# Altium PCB Power Distribution Board Rev5.PcbDoc (part 2 of 2)
Units mil, origin at the board's own origin, x right, y up, seen from the top; angles counter-clockwise.
Board outline 4527.56 x 4527.56 mil, 4 copper layers (Top Layer, L2-Ground, L3-Ground, Bottom Layer), stack 62.449 mil thick; 183 components, 98 nets, 526 pads, 289 vias.
Unrouted connection lines stored in the file: 2.
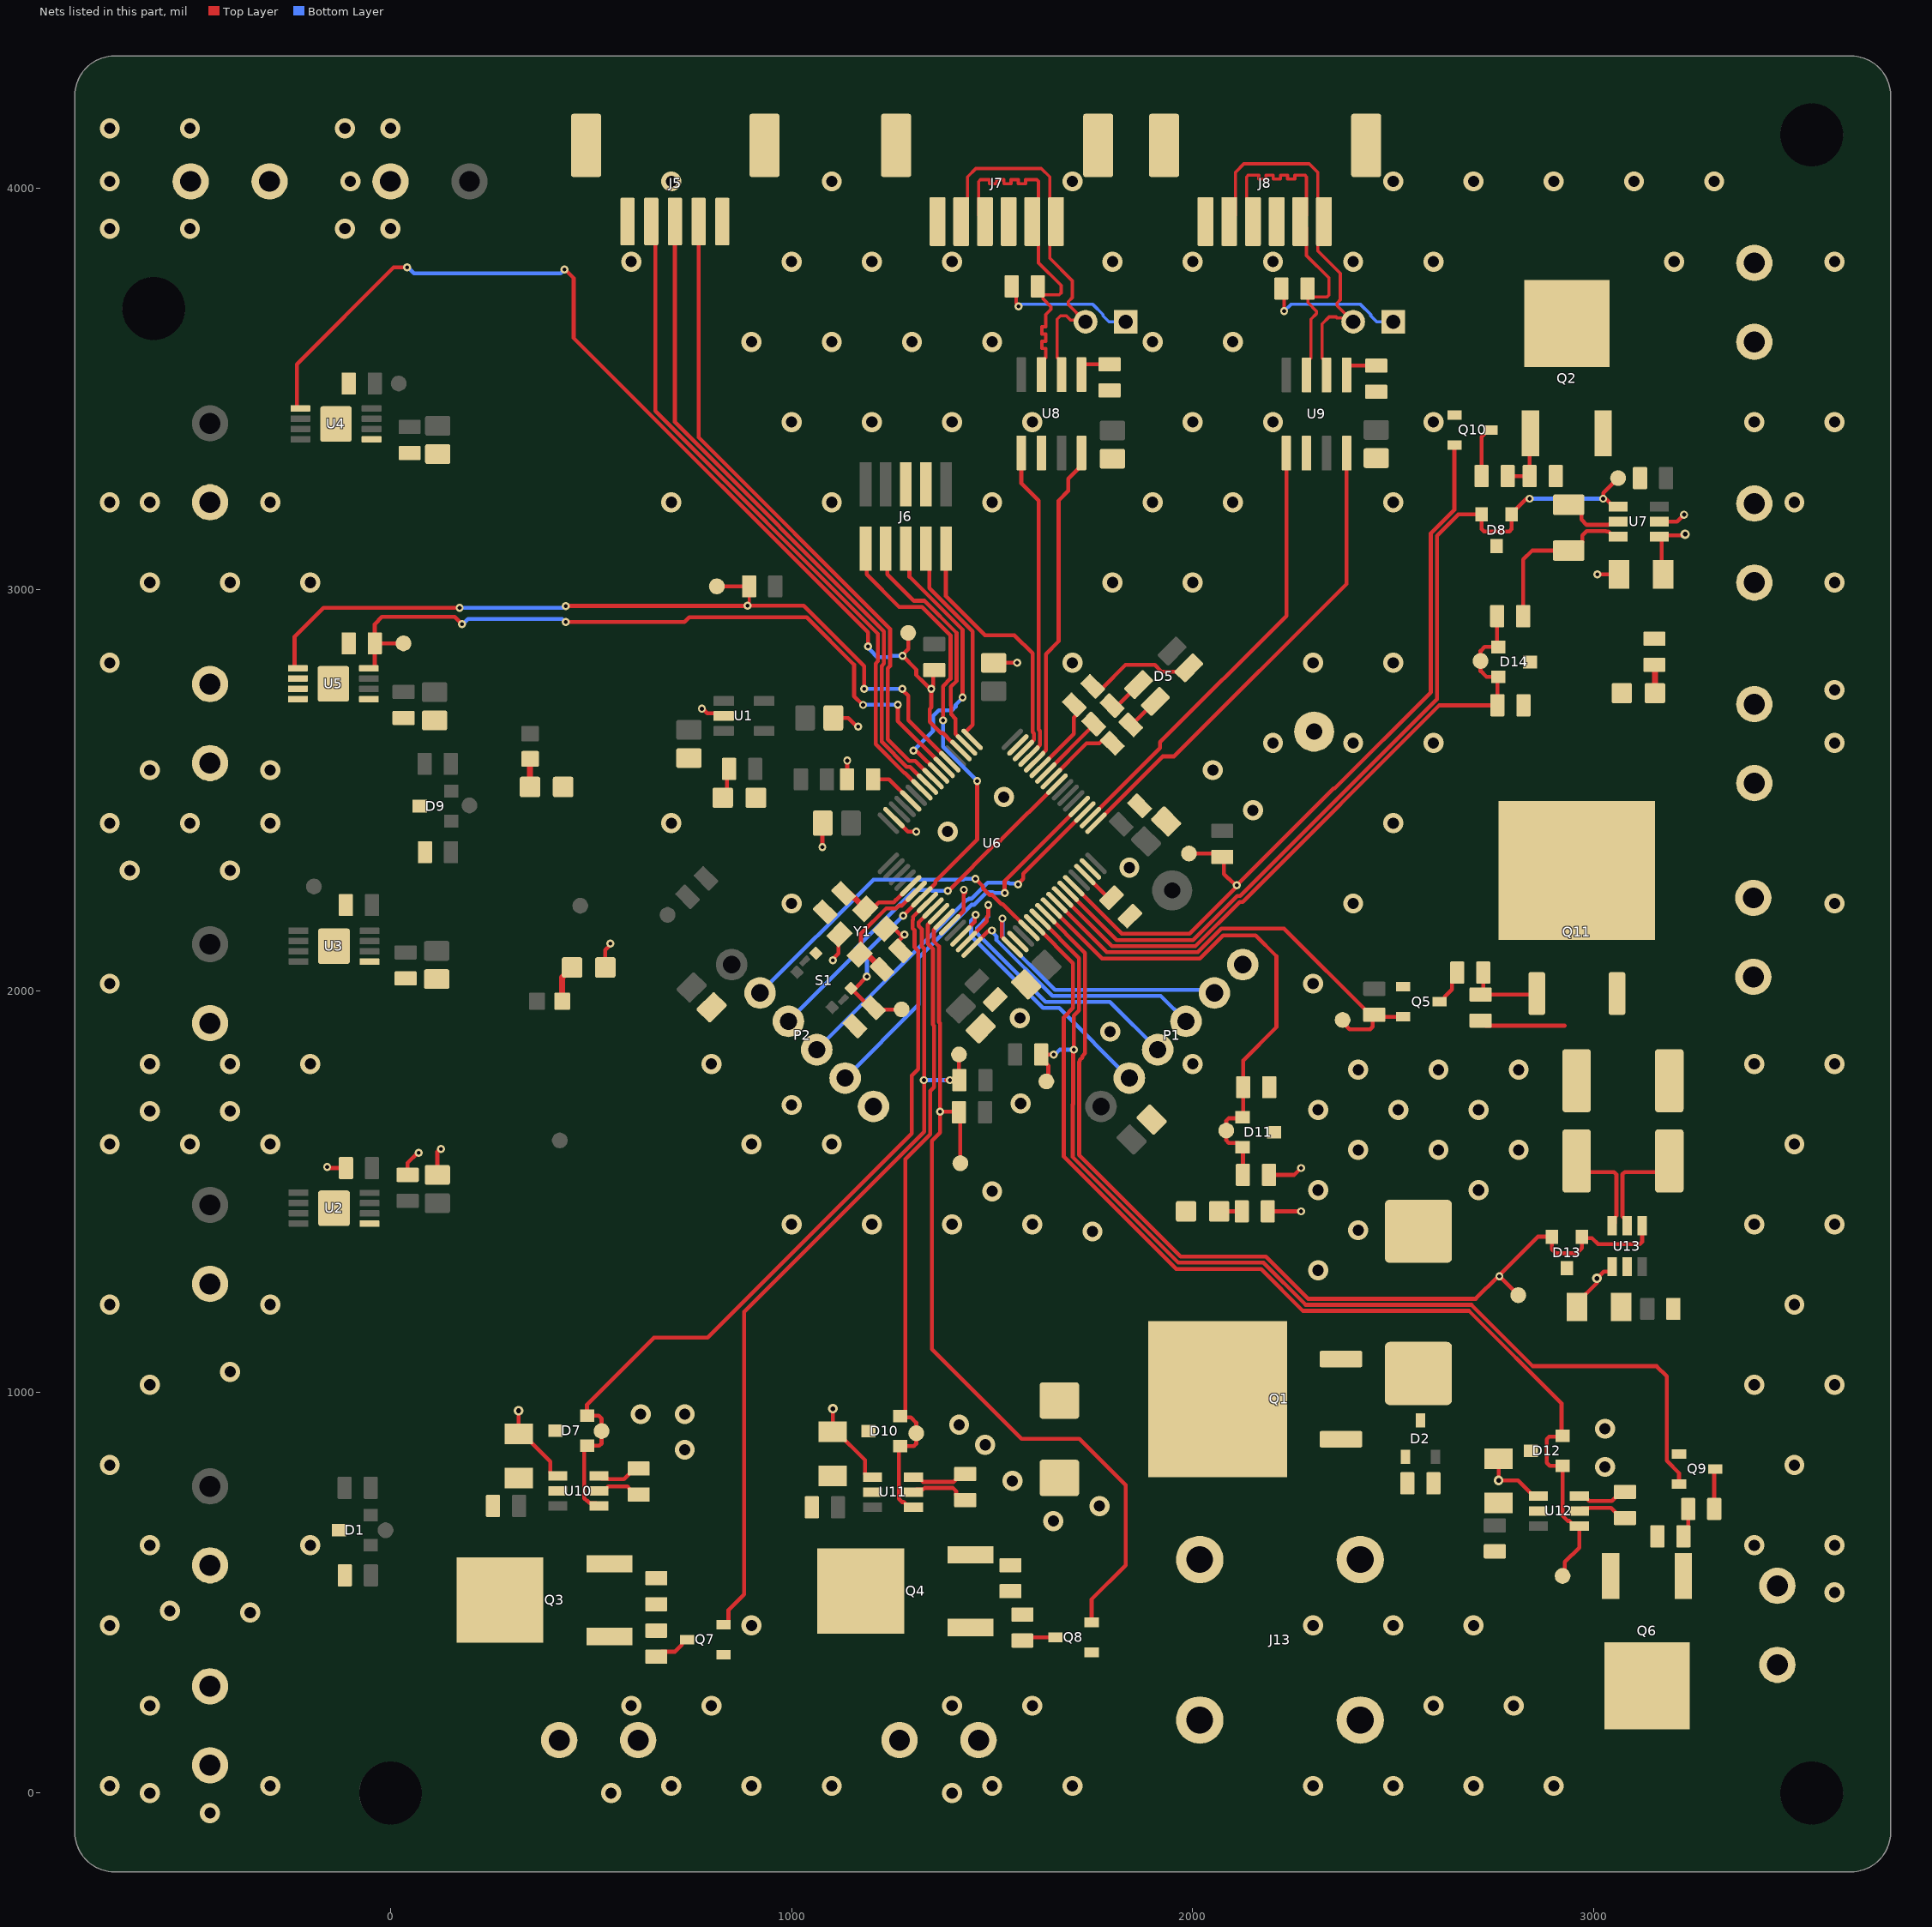
[diagram p4: the nets of this part, all layers, seen from the top]

## Via types
v1: diameter 50, hole 28, Top Layer to Bottom Layer, tented both sides, 191 vias
v2: diameter 20, hole 10, Top Layer to Bottom Layer, tented both sides, 93 vias
v3: diameter 24, hole 12, Top Layer to Bottom Layer, tented both sides, 5 vias

## Nets (pads, with @x,y where several pads share a name; then routed paths per layer and width w, separated by ;. In a path a pad name is that pad's centre, name@x,y a point inside that pad or via, vN(x,y) a via of type N, cw(c..) or ccw(c..) an arc to the next point about the centre after c; other vN are vias at no path point) (continued)
5V_lOAD2_1_N_OC: "TP 7.1" R6.1 U4.5 U6.51 | length 2667.9
  Top Layer w10: U4.5@-224.57,3451.77 -230.75,3451.77 -233.62,3454.65 -233.62,3561.93 7.6,3803.15 v2(41.6,3803.15) ; v2(433.6,3798.15) 435.22,3798.15 456.6,3776.77 456.6,3627.15 1190.3,2893.44 v2(1190.3,2858.21) ; 1290.6,2892.17 1290.6,2851.87 1276.6,2837.87 v2(1276.6,2835.17) 1310.69,2801.07 1310.69,2787.17 1331.13,2766.73 1331.66,2766.73 1345.45,2752.94 v2(1348.16,2752.94) ; R6.1@1355.6,2799.45 1352.66,2796.51 1352.66,2757.44 v2(1348.16,2752.94) ; U6.51@1422.05,2598.78 1421.56,2598.78 1399.78,2620.56 1399.17,2620.56 1377.22,2642.51 1371.7,2642.51 1344.13,2670.08 1344.13,2702.48 1348.16,2706.51 v2(1348.16,2752.94)
  Bottom Layer w10: v2(41.6,3803.15) 43.22,3803.15 58.22,3788.15 423.6,3788.15 v2(433.6,3798.15) ; v2(1190.3,2858.21) 1190.3,2855.5 1196.71,2849.09 1196.71,2848.54 1213.32,2831.93 1241.99,2831.93 1245.23,2835.17 v2(1276.6,2835.17)
5V_LOAD2_2: J3.1 U5.6 U5.7 U5.8
5V_lOAD2_2_EN: "TP 4.1" R37.2 U5.4 U6.54 | length 1868.2
  Top Layer w10: U5.4@-53.87,2803.59 -42.19,2803.59 -39.31,2806.46 R37.2@-39.31,2866.05 ; 32.38,2866.05 R37.2@-39.31,2866.05 ; v2(178.18,2914.15) 160.18,2932.15 -21.4,2932.15 -39.31,2914.24 R37.2@-39.31,2866.05 ; v2(436.6,2919.15) 732.53,2919.15 744.39,2931 1037.62,2931 1155.6,2813.02 1155.6,2734.96 v2(1178.01,2712.55) ; v2(1264.6,2713.21) 1264.6,2672.71 U6.54@1380.29,2557.02
  Bottom Layer w10: v2(178.18,2914.15) 179.8,2914.15 192.8,2927.15 427.74,2927.15 435.74,2919.15 v2(436.6,2919.15) ; v2(1178.01,2712.55) 1178.68,2713.21 v2(1264.6,2713.21)
5V_lOAD2_2_N_OC: "TP 10.1" R7.1 U5.5 U6.53 | length 2112.6
  Top Layer w8: v2(890,2960) 890,2963.25 894.12,2967.37 R7.1@894.12,3008.15
  Top Layer w10: U5.5@-231.04,2803.98 -236.5,2803.98 -239.37,2806.85 -239.37,2882.48 -167.08,2954.77 v2(172.35,2954.77) ; v2(436.6,2959.15) 437.02,2959.57 889.57,2959.57 v2(890,2960) 1029.83,2960 1180.6,2809.23 v2(1180.6,2752.94) ; 813.41,3008.15 R7.1@894.12,3008.15 ; v2(1276.03,2752.37) 1276.03,2749.66 1290.6,2735.09 1290.6,2674.55 U6.53@1394.21,2570.94
  Bottom Layer w10: v2(172.35,2954.77) 429.51,2954.77 433.89,2959.15 v2(436.6,2959.15) ; v2(1180.6,2752.94) 1180.88,2752.65 1275.74,2752.65 v2(1276.03,2752.37)
17V: J17.1 R22.2 R32.1 R46.2 U7.3 | length 409.2
  Top Layer w10: R22.2@2823.83,2933.9 2823.83,3075.23 2845.97,3097.37 R32.1@2937.25,3097.37 ; R32.1@2950.97,3097.37 2971.55,3117.95 2971.55,3135.08 2982.36,3145.89 3030.31,3145.89 3031.44,3144.76 3036.05,3144.76 3048.64,3132.17 U7.3@3060.45,3132.17
17V_ADC_INPUT: "TP 12.1" D14.1 D14.2 R22.1 R24.2 U6.26 | length 1682.2
  Top Layer w10: U6.26@1675.38,2234.09 1798.32,2111.15 2006.6,2111.15 2117.1,2221.65 2124.84,2221.65 2614.83,2711.64 R24.2@2759.51,2711.64 2759.51,2779.97 D14.2@2761.85,2782.31 2732.44,2782.31 2717.6,2797.15 2717.6,2847.15 2727.56,2857.11 D14.1@2761.85,2857.11 2758.87,2860.09 R22.1@2758.87,2933.9
17V_LOAD: Q2.3 R18.2 R32.2 U7.2 | length 156.8
  Top Layer w10: R32.2@2937.25,3211.54 2948.26,3211.54 2968.84,3190.96 2968.84,3174.89 2982.36,3161.37 3035.97,3161.37 3037.36,3162.76 3053.64,3162.76 U7.2@3060.45,3169.57
17V_LOAD_CURRENT: "TP 13.1" D8.1 D8.2 U6.27 U7.1 | length 2260.9
  Top Layer w10: U6.27@1689.3,2248.01 1689.3,2247.52 1810.67,2126.15 2000.39,2126.15 2110.89,2236.65 2118.63,2236.65 2608.6,2726.62 2608.6,3134.15 2661.97,3187.52 D8.2@2720.2,3187.52 2720.2,3151.01 2726.05,3145.15 2789.14,3145.15 2795,3151.01 D8.1@2795,3187.52 ; D8.1@2795,3189.49 2831.25,3225.74 2838.97,3225.74 v2(2840.12,3226.89) ; v2@3023.48,3227.22 3023.48,3241.18 3032.49,3250.19 3060.45,3278.15 ; v2@3029.87,3225.74 3048.64,3206.98 U7.1@3060.45,3206.98
  Bottom Layer w10: v2(2840.12,3226.89) v2(3023.15,3226.89)
17V_LOAD_EN: "TP 11.1" Q10.2 R49.1 U6.28 | length 2008.6
  Top Layer w10: U6.28@1703.22,2261.93 1822.88,2142.27 1991.72,2142.27 2086.1,2236.65 2103.12,2253.67 2103.12,2253.79 2109.71,2260.38 v2(2109.71,2263.09) ; 1990.6,2342.15 2065.12,2342.15 R49.1@2073.6,2333.67 2077.6,2329.67 2077.6,2291.15 2089.6,2279.14 2090.95,2279.14 2108.18,2261.91 2110.89,2261.91 2110.89,2264.26 2351.2,2504.58 2354.02,2504.58 2593.6,2744.15 2593.6,3140.36 2652.32,3199.09 Q10.2@2652.32,3360.75
ADC123_1: P1.3 U6.15 | length 766.3
  Top Layer w10: U6.15@1435.97,2122.73 1486.45,2173.21 1486.45,2183.85 1490.16,2187.56 v2(1490.16,2213.85)
  Bottom Layer w10: v2(1490.16,2213.85) 1490.16,2184.92 1462.6,2157.36 1462.6,2142.25 1632.7,1972.15 1793.6,1972.15 P1.3@1912.6,1853.15
ADC123_2: P1.4 U6.16 | length 651.6
  Top Layer w10: U6.16@1449.89,2108.81 1489.62,2148.54 1497.13,2148.54 v2(1499.05,2150.45)
  Bottom Layer w10: v2(1499.05,2150.45) 1499.05,2147.75 1510.6,2136.19 1510.6,2126.78 1650.23,1987.15 1920.02,1987.15 P1.4@1983.31,1923.86
ADC123_3: P1.5 U6.17 | length 715.9
  Top Layer w10: v2(1525.6,2180.38) 1525.6,2178.75 1524.25,2177.4 1524.25,2135.17 1550.11,2109.3 U6.17@1550.11,2108.81
  Bottom Layer w10: v2(1525.6,2180.38) 1525.6,2133.15 1656.6,2002.15 2046.44,2002.15 P1.5@2054.02,1994.57
ADC123_4: P2.2 U6.20 | length 844.7
  Top Layer w10: v2(1458.26,2279.42) 1477.24,2260.44 1477.24,2255.97 1494.35,2238.85 1500.52,2238.85 1523.1,2216.26 1526.18,2216.26 U6.20@1591.87,2150.57
  Bottom Layer w10: P2.2@921.18,1994.57 1203.86,2277.26 1428.26,2277.26 1430.42,2279.42 v2(1458.26,2279.42)
CANA_N: H1.2 J7.1 J7.5 U8.6 | length 978.2
  Top Layer w8: J7.5@1422.83,3917.72 1438.36,3933.24 1438.36,4028.91 1459.45,4050 1622.44,4050 1643.53,4028.91 1643.53,3933.24 J7.1@1659.06,3917.72 1643.53,3902.19 1643.53,3826.4 1699.98,3769.95 1699.98,3728.26 1689.43,3717.72 1689.43,3711.09 H1.2@1728.79,3671.73 ; U8.6@1672.74,3535.9 1672.74,3567.4 1661.74,3578.4 1661.74,3674.26 1670.33,3682.84 1684.85,3682.84 1695.96,3671.73 H1.2@1728.79,3671.73 ; H1.2@1732.81,3667.72 H1.2@1728.79,3671.73
CANA_P: J7.2 J7.4 R14.2 U8.7 | length 963
  Top Layer w8: J7.4@1481.89,3917.72 1466.36,3933.24 1466.36,4017.31 1471.05,4022 1493.05,4022 1493.05,4012 1511.05,4012 1511.05,4022 1529.05,4022 1529.05,4012 1547.05,4012 1547.05,4022 1565.05,4022 1565.05,4012 1583.05,4012 1583.05,4022 1610.84,4022 1615.23,4017.61 1615.53,4017.31 1615.53,3933.24 J7.2@1600,3917.72 1615.53,3902.19 1615.53,3814.8 1671.98,3758.35 1671.98,3739.86 1667.29,3735.17 R14.2@1627.28,3735.17 ; R14.2@1613.56,3756.07 1613.56,3746.23 1626.82,3732.97 1626.82,3724.64 1646.36,3705.1 1646.36,3698.47 1633.74,3685.85 1633.74,3667.72 1633.74,3655.2 1623.74,3655.2 1623.74,3637.2 1633.74,3637.2 1633.74,3619.2 1623.74,3619.2 1623.74,3601.2 1633.74,3601.2 1633.74,3597.2 1633.74,3578.4 1622.74,3567.4 U8.7@1622.74,3535.9
CANB_N: H2.2 J8.1 J8.5 U9.6 | length 988.6
  Top Layer w8: J8.5@2090.94,3917.72 2106.47,3933.24 2106.47,4040.43 2127.56,4061.52 2290.55,4061.52 2311.64,4040.43 2311.64,3933.24 J8.1@2327.17,3917.72 2311.64,3902.19 2311.64,3844.69 2367.7,3788.63 2367.7,3722.74 2359.65,3714.69 2359.65,3708.07 H2.2@2390.23,3677.48 ; U9.6@2333.58,3535.06 2333.58,3566.55 2322.58,3577.55 2322.58,3662.42 2340.19,3680.03 2357.03,3680.03 2359.57,3677.48 H2.2@2390.23,3677.48 ; H2.2@2400,3667.72 H2.2@2390.23,3677.48
CANB_P: J8.2 J8.4 R16.2 U9.7 | length 954.2
  Top Layer w8: J8.4@2150,3917.72 2134.47,3933.24 2134.47,4028.83 2139.16,4033.52 2142.61,4033.52 2164.61,4033.52 2164.61,4023.52 2182.61,4023.52 2182.61,4033.52 2200.61,4033.52 2200.61,4023.52 2218.61,4023.52 2218.61,4033.52 2236.61,4033.52 2236.61,4023.52 2254.61,4023.52 2254.61,4033.52 2269.36,4033.52 2278.95,4033.52 2283.64,4028.83 2283.64,3933.24 J8.2@2268.11,3917.72 2283.64,3902.19 2283.64,3833.09 2339.7,3777.03 2339.7,3734.34 2335.01,3729.65 R16.2@2299.85,3729.65 ; U9.7@2283.58,3535.06 2283.58,3566.55 2294.58,3577.55 2294.58,3674.02 2308.29,3687.73 2308.29,3694.36 2286.96,3715.68 R16.2@2286.96,3739.88 ; R16.2@2286.13,3750.55 2286.13,3740.71 R16.2@2286.96,3739.88 ; R16.2@2298.52,3728.32 R16.2@2286.96,3739.88
GND: C1.1 C2.1 C3.1 C4.1 C5.1 C6.1 C7.1 C8.1 C9.1 C10.1 C11.1 C12.1 C13.1 C14.1 C15.1 C16.2 C17.2 C18.1 C19.1 C20.1 C21.1 C22.1 C23.1 C24.1 C25.1 C26.1 C27.1 C28.1 C29.1 C30.1 C31.1 C32.1 C33.1 C34.1 C35.1 D1.3 D3.1 D4.2 D6.2 D7.3 D8.3 D9.3 D10.3 D11.3 D12.3 D13.3 D14.3 D15.2 D16.2 D17.2 GND.1 J1.2 J2.2 J3.2 J4.2 J5.0 J5.1 J5.5 J6.3 J6.5 J7.0 J7.3 J7.6 J8.0 J8.3 J8.6 J9.2 J10.2 J11.2 J12.2 J13.2 J14.2 J15.2 J16.2 J17.2 J18.2 J19.2 J20.2 P1.6 P2.6 Q5.1 Q7.1 Q8.1 Q9.1 Q10.1 R2.1 R12.1 R15.2 R17.2 R21.1 R24.1 R25.1 R27.1 R34.1 R36.1 R37.1 R38.1 S1.1 U1.2 U2.1 U2.9 U3.1 U3.9 U4.1 U4.9 U5.1 U5.9 U6.12 U6.18 U6.31 U6.47 U6.63 U7.5 U8.2 U9.2 U10.5 U11.5 U12.5 U13.5 Y1.2 Y1.4 | length 1029.8
  Top Layer w10: v2(-158,1561) -156,1561 -152.94,1557.94 R34.1@-111.09,1557.94 ; C4.1@42.67,1541.05 42.67,1570.89 67.57,1595.79 v2(70.35,1595.79) ; C3.1@116.8,1541.05 116.8,1599.5 123.3,1606 v2(126,1606) ; D15.2@535.34,2058 535.34,2101.34 548,2114 v2(548,2118) ; v2(776.22,2703.11) 778.92,2703.11 790.02,2692.02 823.66,2692.02 U1.2@830.61,2685.07 ; v2(1076.54,2358.15) 1076.54,2417.01 C14.1@1077.36,2417.83 ; v2(1102.85,2076.21) 1102.85,2078.92 1116.94,2093 1116.94,2137.43 Y1.4@1119.72,2140.22 ; C2.1@1103.83,2680.15 1140.91,2680.15 1162.3,2658.76 v2(1166.08,2658.76) ; R12.1@1138.12,2527.15 1138.73,2527.76 v2(1138.73,2573.78) ; Y1.2@1233.86,2154.14 1256.35,2154.14 1271.74,2138.75 1280.03,2138.75 v2(1281.5,2140.22) 1281.5,2138.98 1265.72,2123.2 1265.72,2105.22 C16.2@1271.42,2099.52 ; U6.63@1255.02,2431.75 1255.51,2431.75 1290.31,2396.95 v2(1310.7,2396.95) ; U6.12@1394.21,2164.49 1429.01,2199.29 1429.01,2251.73 v2(1429.21,2251.93) 1429.21,2249.22 1432.5,2245.93 v2@1432.5,2244.08 ; C13.1@1503.6,2817.38 1503.93,2817.72 v2(1562.07,2817.72) ; v2(3008.6,3038.15) C30.1@3062.48,3038.15 ; U7.5@3162.81,3169.57 3207.07,3169.57 3224.5,3187 v2(3225,3187)
  other v1: -450,-50 -600,0 550,0 1400,0 -700,17.72 -300,17.72 700,17.72 900,17.72 1100,17.72 1500,17.72 1700,17.72 2300,17.72 2500,17.72 2700,17.72 2900,17.72 -600,217.72 600,217.72 800,217.72 1400,217.72 1600,217.72 2600,217.72 2800,217.72 -700,417.72 900,417.72 2300,417.72 2500,417.72 2700,417.72 -350,450 -550,454.12 3600,500 -600,617.72 -200,617.72 3400,617.72 3600,617.72 1652.6,678.15 1767.46,715.58 1550.51,778.15 -700,817.72 3500,817.72 -600,1017.72 3400,1017.72 3600,1017.72 -400,1050 -700,1217.72 -300,1217.72 3500,1217.72 1750,1400 1000,1417.72 1200,1417.72 1400,1417.72 1600,1417.72 3400,1417.72 3600,1417.72 1500,1500 -700,1617.72 -500,1617.72 -300,1617.72 900,1617.72 1100,1617.72 3500,1617.72 -600,1700 -400,1700 1000,1715.21 1571,1719 -600,1817.72 -400,1817.72 -200,1817.72 800,1817.72 2000,1817.72 3400,1817.72 3600,1817.72 1794,1898 1569,1932 -700,2017.72 2300,2017.72 1000,2217.72 2400,2217.72 3600,2217.72 -650,2300 -400,2300 1842,2307 1389.12,2396.95 -700,2417.72 -500,2417.72 -300,2417.72 700,2417.72 2500,2417.72 2150,2450 1529,2483 -600,2550 -300,2550 2050,2550 2200,2617.72 2400,2617.72 2600,2617.72 3600,2617.72 3600,2750 -700,2817.72 1700,2817.72 2300,2817.72 2500,2817.72 -600,3017.72 -400,3017.72 -200,3017.72 1800,3017.72 2000,3017.72 3600,3017.72 -700,3217.72 -600,3217.72 -300,3217.72 700,3217.72 1100,3217.72 1500,3217.72 1900,3217.72 2100,3217.72 2500,3217.72 3500,3217.72 1000,3417.72 1200,3417.72 1400,3417.72 1600,3417.72 2000,3417.72 2200,3417.72 2600,3417.72 3400,3417.72 3600,3417.72 900,3617.72 1100,3617.72 1300,3617.72 1500,3617.72 1900,3617.72 2100,3617.72 600,3817.72 1000,3817.72 1200,3817.72 1400,3817.72 1800,3817.72 2000,3817.72 2200,3817.72 2400,3817.72 2600,3817.72 3200,3817.72 3600,3817.72 -700,3900 -500,3900 -113.6,3900 0,3900 -700,4017.72 -100,4017.72 700,4017.72 1100,4017.72 1700,4017.72 2500,4017.72 2700,4017.72 2900,4017.72 3100,4017.72 3300,4017.72 -700,4150 -500,4150 -113.6,4150 0,4150
JTDI: J6.8 U6.50 | length 600.1
  Top Layer w10: J6.8@1234.6,3102.15 1238.74,3098.01 1238.74,3038.01 1304.59,2972.16 1331.17,2972.16 1411.16,2892.17 1411.16,2771.69 1397.05,2757.59 1397.05,2711.09 1397.57,2710.57 1397.57,2689.12 1408.4,2678.29 1408.4,2640.76 1435.97,2613.19 U6.50@1435.97,2612.7
JTDO/TRACESWO: J6.6 U6.55 | length 718.1
  Top Layer w10: J6.6@1284.6,3102.15 1293.74,3093.01 1293.74,3032.15 1426.16,2899.73 v2(1426.16,2731.53) ; v2(1303.57,2598.39) 1305.09,2596.86 1312.61,2596.86 U6.55@1366.37,2543.1
  Bottom Layer w10: v2(1303.57,2598.39) 1352.22,2647.05 1352.22,2684.46 1366.86,2699.11 1399.71,2699.11 1409.07,2708.46 1409.07,2713.26 1426.16,2730.35 v2(1426.16,2731.53)
LED_B_n: R8.2 U6.42 | length 175.1
  Top Layer w10: U6.42@1633.63,2543.1 1749.63,2659.11 R8.2@1749.63,2670.18
LED_G_n: R10.2 U6.41 | length 202.1
  Top Layer w10: U6.41@1647.55,2529.18 1735.04,2616.67 1767.15,2616.67 1774.61,2624.14 1797.74,2624.14 R10.2@1806.66,2615.21
LED_MATRIX_B_PWM: J5.2 U6.56 | length 1644.1
  Top Layer w10: J5.2@768.11,3917.72 768.11,3379.64 1245.3,2902.44 1245.3,2809.21 1239.6,2803.5 1239.6,2627 1293.21,2573.39 1308.24,2573.39 U6.56@1352.45,2529.18
LED_MATRIX_G_PWM: J5.3 U6.57 | length 1672.8
  Top Layer w10: J5.3@709.06,3917.72 709.06,3417.48 1230.3,2896.23 1230.3,2815.42 1224.6,2809.72 1224.6,2620.79 1287,2558.39 1295.4,2558.39 U6.57@1338.53,2515.26
LED_MATRIX_R_PWM: J5.4 U6.58 | length 1701.6
  Top Layer w10: J5.4@650,3917.72 660.06,3907.66 660.06,3445.26 1215.3,2890.02 1215.3,2821.64 1209.6,2815.93 1209.6,2614.58 1280.78,2543.39 1282.57,2543.39 U6.58@1324.62,2501.34
LED_R_n: R9.1 U6.43 | length 186.7
  Top Layer w10: U6.43@1619.71,2557.02 1703.22,2640.54 1703.22,2681.08 1712.63,2690.48 R9.1@1712.63,2705.18
NetC16_1: C16.1 U6.6 Y1.1 | length 305.8
  Top Layer w10: Y1.1@1169.83,2090.11 1172.62,2092.89 1172.62,2141.9 1235.89,2205.17 1260.35,2205.17 1267.53,2212.35 1275.04,2212.35 U6.6@1310.7,2248.01
  Top Layer w15: Y1.1@1169.83,2090.11 1188.97,2090.11 C16.1@1225.49,2053.59
NetC17_1: C17.1 U6.5 Y1.3 | length 207.1
  Top Layer w10: Y1.3@1183.75,2204.25 1201.03,2204.25 1216.95,2220.17 1254.14,2220.17 1261.32,2227.35 1261.71,2227.35 1296.29,2261.93 U6.5@1296.78,2261.93
  Top Layer w15: C17.1@1129.44,2242.67 1143.88,2242.67 1156.33,2230.22 1157.78,2230.22 Y1.3@1183.75,2204.25
NetC19_2: C19.2 U6.30 | length 90.5
  Top Layer w10: U6.30@1731.06,2289.77 1788.71,2232.12 C19.2@1797.63,2232.12
NetD2_1: D2.1 Q1.1 R21.2
NetD2_3: D2.3 F1.1 Q1.3
NetD4_1: D4.1 R3.1 | length 78.6
  Top Layer w10: D4.1@828.26,2481.15 838.9,2491.79 838.9,2547.93 R3.1@844.12,2553.15
NetD5_1: D5.1 R9.2 | length 276.9
  Top Layer w10: R9.2@1750.71,2758.78 1755.79,2753.7 1773.77,2753.7 1832.29,2812.22 1905.24,2812.22 1922.18,2795.28 1980.49,2795.28 D5.1@1990.24,2805.03
NetD5_2: D5.2 R10.1 | length 85.4
  Top Layer w10: R10.1@1845.49,2663.11 1848.32,2663.11 D5.2@1906.72,2721.51
NetD5_3: D5.3 R8.1 | length 87.6
  Top Layer w10: R8.1@1798.99,2710.95 1812.28,2710.95 1864.61,2763.27 D5.3@1864.96,2763.27
NetD6_1: D6.1 R20.1 | length 56.2
  Top Layer w10: D6.1@2065.94,1450.15 R20.1@2122.12,1450.15
NetD15_1: D15.1 R44.1 | length 94.2
  Top Layer w15: R44.1@428,1974 428,2033.34 D15.1@452.66,2058
NetD16_1: D16.1 R45.1 | length 70.1
  Top Layer w15: D16.1@347.66,2508 347.83,2508.17 347.83,2577.83 R45.1@348,2578
NetD17_1: D17.1 R46.1 | length 71.1
  Top Layer w15: R46.1@3151,2812.52 3152.34,2811.18 D17.1@3152.34,2742
NetH1_1: H1.1 R14.1 | length 346.1
  Top Layer w8: R14.1@1548.6,3756.07 1559.66,3745.01 1559.66,3714.25 1565.6,3708.31 v2(1565.6,3706.15)
  Bottom Layer w8: v2(1565.6,3706.15) 1570.69,3711.24 1750.84,3711.24 1776.33,3685.75 1776.33,3682.66 1791.28,3667.72 H1.1@1832.81,3667.72
NetH2_1: H2.1 R16.1 | length 358
  Top Layer w8: R16.1@2221.17,3750.55 2227.8,3743.92 v2(2227.8,3694.36)
  Bottom Layer w8: v2(2227.8,3694.36) 2244.69,3711.24 2418.03,3711.24 2443.53,3685.75 2443.53,3682.66 2458.47,3667.72 H2.1@2500,3667.72
NetJ10_1: J10.1 Q11.2
NetJ11_1: J11.1 Q3.2
NetJ12_1: J12.1 Q2.2
NetJ14_1: J14.1 Q4.2
NetJ15_1: J15.1 Q6.2
NetQ2_1: Q2.1 R18.1 R43.2 | length 162.8
  Top Layer w10: R43.2@2785.08,3283.15 R18.1@2840.12,3283.15 2840.12,3388.15 Q2.1@2842.05,3390.08
NetQ3_1: Q3.1 R13.1 R29.2
NetQ4_1: Q4.1 R31.1 R40.2
NetQ5_3: Q5.3 R39.1 | length 94.5
  Top Layer w10: Q5.3@2615.31,1972.45 2621.22,1972.45 2628.03,1979.26 2628.03,1985.16 2646.56,2003.69 2646.56,2032.59 R39.1@2659.27,2045.31
NetQ6_1: Q6.1 R33.1 R41.2 | length 73.2
  Top Layer w10: R33.1@3223.39,639.84 3235.12,651.56 R41.2@3235.12,708.15
NetQ7_3: Q7.3 R29.1 | length 98
  Top Layer w10: R29.1@662.6,339.76 675.31,352.48 709.22,352.48 726.67,369.92 726.67,375.83 733.48,382.64 Q7.3@739.38,382.64
NetQ8_3: Q8.3 R40.1 | length 85.3
  Top Layer w10: R40.1@1575.35,380.12 1583.37,388.13 Q8.3@1657.32,388.13
NetQ9_3: Q9.3 R41.1 | length 101.2
  Top Layer w10: R41.1@3300.08,708.15 3300.08,805.35 Q9.3@3302.87,808.15
NetQ10_3: Q10.3 R43.1 | length 127.9
  Top Layer w10: R43.1@2720.12,3283.15 2720.12,3381.3 2736.97,3398.15 Q10.3@2742.87,3398.15
NetQ11_1: Q11.1 R35.1 R39.2 | length 198.5
  Top Layer w10: R39.2@2724.23,2045.31 2724.23,1997.26 R35.1@2717.6,1990.63 2855.08,1990.63 Q11.1@2857.6,1993.15
NetR12_2: R12.2 U6.60 | length 115.9
  Top Layer w10: R12.2@1203.08,2527.15 1243.13,2527.15 U6.60@1296.78,2473.5
NetR15_1: R15.1 U8.5 | length 91.5
  Top Layer w10: U8.5@1722.74,3535.9 1722.74,3554.78 1729.55,3561.59 R15.1@1792.53,3561.59
NetR17_1: R17.1 U9.5 | length 93.3
  Top Layer w10: U9.5@2383.58,3535.06 2383.58,3551.5 2390.39,3558.31 R17.1@2457.57,3558.31
NetU6_33: U6.33 U9.4 | length 1197.8
  Top Layer w10: U6.33@1758.9,2417.83 1925.44,2584.36 1953.92,2584.36 2383.58,3014.02 U9.4@2383.58,3340.18
NetU6_34: U6.34 U9.1 | length 1110.8
  Top Layer w10: U6.34@1744.98,2431.75 1918.51,2605.28 1918.51,2619.67 2233.58,2934.73 U9.1@2233.58,3340.18
NetU6_44: U6.44 U8.4 | length 818.5
  Top Layer w10: U6.44@1605.79,2570.94 1605.79,2571.43 1633.81,2599.46 1633.81,2839.37 1665.6,2871.15 1665.6,3221.94 1689.76,3246.1 1689.76,3276.55 1722.74,3309.52 U8.4@1722.74,3341.02
NetU6_45: U6.45 U8.1 | length 786.4
  Top Layer w10: U8.1@1572.74,3341.02 1572.74,3265.01 1615.6,3222.15 1615.6,2650.84 1618.81,2647.62 1618.81,2612.3 1591.87,2585.35 U6.45@1591.87,2584.86
NRST: "TP  NRST1.1" C35.2 J6.10 S1.2 U6.7 | length 1534.5
  Top Layer w10: S1.2@1148.11,2005.97 S1.2@1148.45,2005.63 ; J6.10@1184.6,3102.15 1187.1,3099.65 1187.1,3038.01 1267.95,2957.16 1324.95,2957.16 1396.16,2885.95 1396.16,2777.9 1377.22,2758.97 v2(1377.22,2674.11) ; v2(1187.6,2035.15) 1158.08,2005.63 S1.2@1148.45,2005.63 ; 1262.6,1953.15 1230.5,1953.15 1228.51,1951.16 1210.53,1951.16 C35.2@1203.57,1958.12 1195.96,1958.12 S1.2@1148.45,2005.63 ; v2(1277.89,2187.35) U6.7@1324.62,2234.09 1357.93,2267.4 1357.93,2272.35 1462.6,2377.02 v2(1462.6,2523.15)
  Bottom Layer w10: v2(1187.6,2035.15) 1187.6,2097.07 v2(1277.89,2187.35) ; v2(1377.22,2674.11) 1377.22,2608.53 v2(1462.6,2523.15)
ODRIVE_1: Q3.3 R13.2 R19.2 U10.2 | length 113.2
  Top Layer w10: U10.2@519.44,753.15 531.25,753.15 542.42,764.32 590.31,764.32 596.17,758.47 596.17,756.83 608.89,744.12 R19.2@618.73,744.12
ODRIVE_1_CURRENT: "TP 15.1" D7.1 D7.2 U6.8 U10.1 | length 2038.9
  Top Layer w10: U10.1@519.44,715.75 512.63,722.56 496.41,722.56 489.91,729.06 488.68,729.06 482.82,734.92 482.82,858.65 D7.1@489.91,865.75 520.39,865.75 526.25,871.61 526.25,933.15 518.85,940.55 491.88,940.55 D7.2@489.91,940.55 489.91,968.46 656.6,1135.15 790.6,1135.15 1299.34,1643.89 1299.34,1788.89 1315.34,1804.89 1315.34,2099.05 1306.5,2107.88 1306.5,2150.57 1301.79,2155.28 1301.79,2175.9 1302.89,2177 1302.89,2184.53 U6.8@1338.53,2220.17
ODRIVE_1_EN: "TP 14.1" Q7.2 R50.1 U6.9 | length 2180.6
  Top Layer w10: Q7.2@829.93,420.04 835.84,420.04 842.65,426.85 842.65,456.2 881.6,495.15 881.6,1199.94 1330.34,1648.67 1330.34,1776.58 v2(1329.77,1777.15) 1330.34,1777.71 1330.34,2105.26 1324.43,2111.17 1324.43,2153.86 1316.79,2161.49 1316.79,2170.59 U6.9@1352.45,2206.25 ; v2@1384.77,1777.15 R50.1@1418.12,1777.15 1417.12,1778.15 1417.12,1841.15
  Bottom Layer w10: v2(1329.77,1777.15) v2(1394.77,1777.15)
ODRIVE_2: Q4.3 R30.2 R31.2 U11.2 | length 151.4
  Top Layer w10: U11.2@1303.78,750.35 1310.59,757.17 1327.8,757.17 1331.34,760.71 1402.25,760.71 1410.13,752.82 1410.13,743.07 1422.85,730.35 R30.2@1432.6,730.35
ODRIVE_2_CURRENT: "TP 17.1" D10.1 D10.2 U6.10 U11.1 | length 1622
  Top Layer w10: U11.1@1303.78,712.95 1291.97,712.95 1279.38,725.54 1274.77,725.54 1267.16,733.16 1267.16,861.47 D10.1@1270.6,864.91 1304.73,864.91 1310.59,870.76 1310.59,923.15 1297.46,936.28 1274.03,936.28 1283.31,945.57 1283.31,1580.44 1345.34,1642.46 1345.34,1750.34 1354.77,1759.77 1354.77,1913.03 1352.27,1915.53 1352.27,2104.54 1339.43,2117.38 1339.43,2164.9 1366.37,2191.84 U6.10@1366.37,2192.33
ODRIVE_2_EN: "TP 16.1" Q8.2 R51.1 U6.11 | length 2274.7
  Top Layer w10: v2(1370.34,1698.58) 1370.34,1646.25 1349.68,1625.6 1349.68,1106.26 1572.79,883.15 1717.46,883.15 1832.6,768.01 1832.6,567.88 1747.87,483.15 Q8.2@1747.87,425.53 ; U6.11@1380.29,2178.41 1380.29,2177.92 1354.43,2152.06 1354.43,2123.59 1367.27,2110.75 1367.27,1921.74 1369.77,1919.24 1369.77,1698.58 1415.68,1698.58 1420.6,1693.67 1420.6,1570.15
ODRIVE_3: Q6.3 R33.2 R42.2 U12.2 | length 127.3
  Top Layer w10: U12.2@2963.78,703.15 2970.59,709.96 2987.57,709.96 2988.26,710.65 3042.78,710.65 3067.76,685.67 R42.2@3077.6,685.67
ODRIVE_3_CURRENT: "TP 22.1" D12.1 D12.2 U6.21 U12.1 | length 2655.4
  Top Layer w10: U6.21@1613.3,2156.98 1701.6,2068.68 1701.6,1957.09 1678.6,1934.09 1678.6,1855.51 1678.6,1586.15 1958.6,1306.15 2170.6,1306.15 2274.6,1202.15 2688.6,1202.15 2919.57,971.18 2919.57,888.15 2888.46,888.15 2882.6,882.29 2882.6,823.15 2890,815.75 D12.1@2921.97,815.75 2921.97,691.14 2934.77,678.34 2939.38,678.34 2951.97,665.75 U12.1@2963.78,665.75 2963.78,611.99 2927.59,575.8 2927.59,546.84 2921.97,541.22
ODRIVE_3_EN: "TP 21.1" Q9.2 R53.1 U6.22 | length 2804.9
  Top Layer w10: U6.22@1619.71,2178.41 1716.6,2081.52 1716.6,1950.87 1703.6,1937.87 v2(1703.6,1853.15) ; 1625.6,1763.15 1625.6,1769.29 1640,1783.69 1640,1813.39 1622.08,1831.31 R53.1@1622.08,1841.15 v2(1653.6,1841.15) ; v2@1701.81,1852.94 1701.81,1717.36 1700.86,1716.4 1700.86,1585.11 1963.81,1322.15 2176.39,1322.15 2281.39,1217.15 2694.81,1217.15 2847.81,1064.15 3156.6,1064.15 3181.61,1039.14 3181.61,828.36 3212.32,797.64 Q9.2@3212.32,770.75
  Bottom Layer w10: v2(1653.6,1841.15) 1656.3,1841.15 1668.3,1853.15 v2(1703.6,1853.15)
PB14: P2.4 U6.35 | length 925.7
  Top Layer w10: v2(1564.78,2265.27) 1564.78,2266.95 1577.37,2279.55 1577.37,2291.97 U6.35@1731.06,2445.66
  Bottom Layer w10: P2.4@1062.6,1853.15 1436.38,2226.93 1439.7,2226.93 1442.04,2229.27 1448.24,2229.27 1488.49,2269.51 1540.56,2269.51 1542.9,2267.18 1562.87,2267.18 v2(1564.78,2265.27)
PB15: P2.5 U6.36 | length 952.6
  Top Layer w10: v2(1531.21,2243.51) 1531.07,2243.65 1531.07,2273.51 U6.36@1717.14,2459.58
  Bottom Layer w10: P2.5@1133.31,1782.44 1316.44,1965.56 1316.44,2082.45 1448.25,2214.27 1454.46,2214.27 1486.19,2246 1501.21,2246 1503.7,2243.51 v2(1531.21,2243.51)
PC9: P2.3 U6.40 | length 923.7
  Top Layer w10: v2(1389.12,2249.15) 1391.07,2249.15 1514.67,2372.75 1518.95,2372.75 U6.40@1661.47,2515.26
  Bottom Layer w10: P2.3@991.89,1923.86 1158.83,2090.8 1158.83,2103.65 1306.33,2251.15 1347.76,2251.15 1349.76,2249.15 v2(1389.12,2249.15)
SWD_CLK: J6.4 U6.49 | length 538.2
  Top Layer w10: J6.4@1334.6,3102.15 1343.24,3093.51 1343.24,3003.86 1451.16,2895.94 1451.16,2662.57 1433.14,2644.55 1433.14,2643.37 U6.49@1449.89,2626.62
SWD_IO: J6.2 U6.46 | length 647.9
  Top Layer w10: J6.2@1384.6,3102.15 1384.6,2983.72 1481.91,2886.41 1555.34,2886.41 1600.6,2841.15 1600.6,2644.62 1603.81,2641.41 1603.81,2625.13 1577.95,2599.27 U6.46@1577.95,2598.78
VBAT: D3.2 J13.1 Q1.2
VBAT_ADC_INPUT: "TP 19.1" D11.1 D11.2 R23.1 R25.2 U6.24 | length 1305.8
  Top Layer w10: U6.24@1647.55,2206.25 1773.65,2080.15 2018.02,2080.15 2075.92,2138.05 2156.7,2138.05 2208.6,2086.15 2208.6,1909.15 2125.77,1826.32 R25.2@2125.77,1759.62 2125.77,1686.49 D11.1@2124.19,1684.92 2121.43,1682.15 2089.39,1682.15 2083.53,1676.29 2083.53,1626.72 2089.39,1620.86 2113.45,1620.86 2125.06,1609.25 R23.1@2125.06,1541.03
VBAT_BUCK: Q11.3 R11.2 R28.2 R35.2 U13.2 | length 479
  Top Layer w10: R35.2@2717.6,1925.67 2730.12,1913.15 2927.6,1913.15 ; U13.2@3082.91,1414.33 3082.91,1426.14 3071.13,1437.92 3071.13,1542.29 3076.99,1548.15 3160.46,1548.15 R11.2@3188.17,1575.86
VBAT_BUCK_CURRENT: "TP 20.1" D13.1 D13.2 U6.23 U13.1 | length 2453.6
  Top Layer w10: U6.23@1633.63,2192.33 1731.6,2094.36 1731.6,1844.11 1724.6,1837.11 1724.6,1833.62 1718.79,1827.82 1718.79,1824.99 1716.81,1823 1716.81,1590.37 1970.02,1337.15 2182.6,1337.15 2287.6,1232.15 2705.6,1232.15 v2@2761.6,1288.15 ; 2811.6,1241.15 v2(2764.6,1288.15) v2@2761.6,1288.15 ; U13.1@3120.31,1414.33 3120.31,1374.01 3114.46,1368.15 3010.5,1368.15 2995.38,1383.27 2974.11,1383.27 D13.1@2970.49,1386.89 2970.49,1383.27 2970.49,1358.98 2956.94,1345.43 2905.93,1345.43 2895.68,1355.68 D13.2@2895.68,1386.89 2860.34,1386.89 v2@2761.6,1288.15
VBAT_BUCK_EN: "TP 18.1" Q5.2 R52.1 U6.25 | length 1149.8
  Top Layer w10: U6.25@1661.47,2220.17 1785.49,2096.15 2012.81,2096.15 2071.71,2155.04 2227.68,2155.04 2442.76,1939.96 R52.1@2452.6,1939.96 R52.1@2457.52,1935.05 ; 2373.6,1927.25 2373.6,1921.82 2391.27,1904.15 2442.6,1904.15 2448.46,1910.01 2448.46,1927.25 2449.72,1927.25 R52.1@2457.52,1935.05 ; Q5.2@2524.76,1935.05 R52.1@2457.52,1935.05
VBAT_FUSED: C20.2 C24.2 C26.2 C28.2 C30.2 F1.2 J18.1 J19.1 J20.1 R11.1 R19.1 R20.2 R23.2 R28.1 R30.1 R42.1 U7.4 U10.3 U10.4 U11.3 U11.4 U12.3 U12.4 U13.3 U13.4 | length 1699.6
  Top Layer w10: v3(319.44,953.15) C20.2@319.44,895.67 329.28,895.67 398.46,826.49 398.46,797.36 405.27,790.55 U10.4@417.08,790.55 ; U10.3@519.44,790.55 526.25,783.74 542.56,783.74 543.92,782.38 582.19,782.38 608.89,809.08 R19.1@618.73,809.08 ; v3(1102.6,958.15) C24.2@1102.6,900.55 1112.44,900.55 1182.8,830.2 1182.8,794.57 1189.61,787.75 U11.4@1201.42,787.75 ; U11.3@1303.78,787.75 1315.59,787.75 1327.64,775.71 1404.18,775.71 1410.04,781.56 1410.04,782.6 1422.76,795.31 R30.1@1432.6,795.31 ; R20.2@2187.08,1450.15 v2(2269.81,1450.15) ; R23.2@2190.02,1541.03 2252.69,1541.03 v2(2269.81,1558.15) ; C26.2@2762.6,833.07 v3(2762.6,779.45) 2810.71,779.45 2849.61,740.55 U12.4@2861.42,740.55 ; R11.1@2957.06,1561.56 2970.47,1548.15 3050.28,1548.15 3056.13,1542.29 3056.13,1438.81 3052.32,1435 3052.32,1421.14 U13.3@3045.51,1414.33 ; C28.2@2957.79,1211.97 2957.79,1221.81 3007.6,1271.61 v3(3007.6,1283.15) 3024.56,1300.11 3038.7,1300.11 3045.51,1306.92 U13.4@3045.51,1311.97 ; U12.3@2963.78,740.55 2975.59,740.55 2988.18,727.96 3045.09,727.96 3067.76,750.63 R42.1@3077.6,750.63 ; C30.2@3172.72,3038.15 3168.78,3042.09 3168.78,3125.36 3170.17,3126.76 3172.72,3126.76 3181.43,3135.47 3224.92,3135.47 v3(3227.6,3138.15)
  other v1: 3027.6,813.15 733.55,855.79 1482.6,868.15 3027.6,908.15 1417.6,918.15 623.73,944.48 733.55,944.48 2312.6,1303.15 2412.6,1403.15 2312.6,1503.15 2712.6,1503.15 2412.6,1603.15 2612.6,1603.15 2812.6,1603.15 2312.6,1703.15 2512.6,1703.15 2712.6,1703.15 2412.6,1803.15 2612.6,1803.15 2812.6,1803.15
WKUP/ADC0: P1.2 U6.14 | length 666.3
  Top Layer w10: U6.14@1422.05,2136.65 1422.05,2137.14 1456.7,2171.79 1456.7,2187.35 v2(1458.61,2189.27)
  Bottom Layer w10: v2(1458.61,2189.27) 1458.61,2186.56 1447.6,2175.55 1447.6,2136.04 1626.49,1957.15 1667.18,1957.15 P1.2@1841.89,1782.44
pads on no net: D2.2 J6.7 J6.9 MH1.0 MH2.0 MH3.0 MH4.0 S1.3 S1.4 S1.5 S1.6 U6.29 U6.37 U6.38 U6.39 U8.8 U9.8

## Polygon pours and split planes (outlines as drawn)
GND on Bottom Layer "BOT_GND" (solid, remove dead copper, pour order 42): -787.4,-196.85 -787.4,4330.71 3740.16,4330.71 3740.16,-196.85
VBAT_FUSED on Bottom Layer "NONET_L04_P-001" (solid, remove dead copper, pour order 5): 2292.6,1893.15 2662.6,2263.15 2662.6,3403.15 2762.6,3503.15 3162.6,3503.15 3262.6,3403.15 3262.6,2703.15 3354.55,2611.2 3454.55,2611.2 3512.6,2553.15 3512.6,2294.23 3071.13,1852.76 3071.13,685.97 3002.6,617.43 673.66,617.43 225.61,169.38 -512.1,169.38 -557.75,215.02 -557.75,367.37 -517.62,407.5 -233.06,407.5 -87.4,553.15 -87.4,3153.15 -394.13,3459.87 -394.13,4096.42 -337.4,4153.15 -215.77,4153.15 -161.53,4098.91 -161.53,3777.28 -137.4,3753.15 362.6,3753.15 662.6,3453.15 662.6,1659.07 1048.52,1273.15 2227.38,1273.15 2227.38,1827.93
GND on Top Layer "TOP_GND" (solid, remove dead copper, pour order 41): -787.4,-196.85 -787.4,4330.71 3740.16,4330.71 3740.16,-196.85
17V_LOAD on Top Layer "NONET_L04_P-001" (solid, remove dead copper, pour order 37): 2897.6,3154.22 2868.67,3183.15 2867.6,3183.15 2867.6,3309.22 2896.52,3338.15 2896.52,3417.08 2982.6,3503.15 3089.9,3503.15 3137.6,3455.45 3137.6,3363.74 3102.01,3328.15 3067.6,3328.15 3008.6,3269.15 3008.6,3184.62 2978.2,3154.22
17V on Top Layer "NONET_L04_P-001" (solid, remove dead copper, pour order 36): 3347.6,3148.15 3497.6,3148.15 3542.6,3103.15 3542.6,2893.15 3497.6,2848.15 3022.6,2848.15 2867.6,3003.15 2867.6,3123.15 2898.67,3154.22 2978.2,3154.22 3034.27,3098.15 3297.6,3098.15
VBAT_FUSED on Top Layer "NONET_L04_P-001" (solid, remove dead copper, pour order 25): 582.28,772.83 563.19,791.93 563.19,973.74 587.6,998.15 787.6,998.15 807.6,978.15 807.6,843.15 767.6,803.15 684.29,803.15 653.98,772.83
5V_2 on Top Layer "NONET_L04_P-001" (solid, remove dead copper, pour order 21): -87.4,2738.15 -87.4,2793.15 -12.4,2793.15 12.6,2818.15 132.6,2818.15 202.6,2888.15 202.6,3327 156.45,3373.15 7.6,3373.15 -7.19,3387.93 -87.4,3387.93 -87.4,3438.45 -5.33,3438.45 72.6,3516.38 72.6,4103.15 137.6,4168.15 337.6,4168.15 407.6,4098.15 407.6,2898.15 477.6,2828.15 789.23,2828.15 866.87,2750.51 866.87,2625.79 854.23,2613.15 242.6,2613.15 142.6,2713.15 1.27,2713.15 -23.73,2738.15
5V_1 on Top Layer "NONET_L04_P-001" (solid, remove dead copper, pour order 17): -532.4,678.15 -597.4,743.15 -597.4,928.15 -542.4,983.15 -256,983.15 66.11,1305.27 66.11,1354.97 65.78,1354.97 -11.72,1432.47 -86.72,1432.47 -86.72,1482.92 -87.4,1483.6 -6.95,1483.6 19.42,1509.97 154.59,1509.97 177.6,1532.98 177.6,2043.15 156.47,2064.28 6.47,2064.28 -13.96,2084.71 -85.84,2084.71 -85.84,2135.27 -87.4,2136.83 -24.98,2136.83 6.35,2168.15 317.6,2168.15 397.6,2088.15 397.6,1268.15 -77.4,793.15 -77.4,704.49 -103.74,678.15
ODRIVE_1 on Top Layer "NONET_L04_P-001" (solid, remove dead copper, pour order 8): 445.82,596.89 447.18,595.53 447.18,501.79 713.52,501.79 739.38,527.65 739.38,590.87 673.66,656.59 673.66,753.15 653.98,772.83 582.28,772.83 563.66,754.21 563.66,714.73
VBAT_FUSED on Top Layer "NONET_L04_P-001" (solid, remove dead copper, pour order 26): 1392.6,763.15 1362.6,793.15 1362.6,943.15 1392.6,973.15 1522.6,973.15 1522.6,933.15 1572.6,883.15 1482.6,793.15 1482.6,763.15
VBAT_FUSED on Top Layer "NONET_L04_P-001" (solid, remove dead copper, pour order 31): 3032.6,718.15 3017.6,733.15 3017.6,748.66 2998.11,768.15 2968.9,768.15 2957.6,779.45 2957.6,923.15 2992.6,958.15 3137.6,958.15 3157.6,938.15 3157.6,718.15
ODRIVE_3 on Top Layer "NONET_L04_P-001" (solid, remove dead copper, pour order 28): 2975.06,453.15 2975.06,615.61 3017.6,658.15 3017.6,703.15 3032.6,718.15 3171.08,718.15 3192.6,696.64 3192.6,608.15 3147.6,563.15 3147.6,453.15
3V3 on Top Layer "NONET_L04_P-001" (solid, remove dead copper, pour order 40): 877.6,2615.15 866.96,2625.79 866.87,2625.79 866.87,2750.51 789.23,2828.15 789.23,2881.78 837.6,2930.15 1038.6,2930.15 1068.6,2900.15 1068.6,2634.15 1049.6,2615.15
5V_LOAD1_2 on Top Layer "NONET_L04_P-001" (solid, remove dead copper, pour order 20): -569.25,1990 -617.4,2038.15 -617.4,2168.15 -570.85,2214.7 -337.4,2214.7 -259.55,2136.85 -197.26,2136.85 -187.4,2126.99 -187.4,2009.75 -207.15,1990
VBAT on Top Layer "NONET_L04_P-001" (solid, pour order 0): 1717.46,883.15 1832.6,768.01 1832.6,103.15 1932.6,3.15 2112.6,3.15 2212.6,103.15 2212.6,683.15 2282.6,753.15 2282.6,1217.93 2227.38,1273.15 1582.6,1273.15 1522.6,1213.15 1522.6,933.15 1572.6,883.15
VBAT_FUSED on Top Layer "NONET_L04_P-001" (solid, remove dead copper, pour order 3): 2282.6,1217.93 2227.38,1273.15 2227.38,1827.93 2292.6,1893.15 3032.6,1893.15 3071.32,1854.43 3071.13,1854.25 3071.13,1498.77 3025.51,1453.15 2873.24,1453.15 2638.02,1217.93
NetD2_3 on Top Layer "NONET_L04_P-001" (solid, remove dead copper, pour order 1): 2282.6,1217.93 2282.6,973.15 2400.58,973.15 2491.73,882 2672.6,882 2712.6,922 2712.6,1143.15 2637.82,1217.93
NetJ12_1 on Top Layer "NONET_L04_P-001" (solid, remove dead copper, pour order 39): 2763.99,3503.15 2722.6,3544.54 2722.6,3813.15 2762.6,3853.15 3102.6,3853.15 3199.65,3756.1 3473.38,3756.1 3527.6,3701.88 3527.6,3563.15 3481.89,3517.44 3176.89,3517.44 3162.6,3503.15
VBAT_BUCK on Top Layer "NONET_L04_P-001" (solid, remove dead copper, pour order 32): 3071.13,1498.77 3116.76,1453.15 3287.6,1453.15 3312.6,1478.15 3312.6,1888.15 3122.6,2078.15 2927.6,2078.15 2902.6,2078.15 2902.6,2053.15 2902.6,1893.15 3032.6,1893.15 3032.6,1891.66 3071.32,1852.94
NetJ10_1 on Top Layer "NONET_L04_P-001" (solid, remove dead copper, pour order 33): 2742.6,2078.15 2707.6,2113.15 2707.6,2218.15 2662.6,2263.15 2662.6,2613.15 3197.6,2613.15 3262.6,2548.15 3262.6,2498.15 3372.6,2388.15 3487.6,2388.15 3552.6,2323.15 3552.6,1943.15 3497.6,1888.15 3312.6,1888.15 3122.6,2078.15
NetQ6_1 on Top Layer "NONET_L04_P-001" (solid, remove dead copper, pour order 30): 3147.6,453.15 3147.6,563.15 3192.6,608.15 3192.6,696.64 3171.08,718.15 3172.6,718.15 3207.6,753.15 3257.6,753.15 3267.6,743.15 3267.6,453.15
NetJ15_1 on Top Layer "NONET_L04_P-001" (solid, pour order 27): 2978.69,43.15 2932.6,89.24 2932.6,410.69 2975.06,453.15 3542.6,453.15 3607.6,388.15 3607.6,178.15 3567.6,138.15 3417.6,138.15 3322.6,43.15
5V_LOAD2_2 on Top Layer "NONET_L04_P-001" (solid, remove dead copper, pour order 23): -580.38,2643.15 -622.4,2685.17 -622.4,2818.15 -577.4,2863.15 -332.4,2863.15 -260.23,2790.98 -195.57,2790.98 -187.4,2782.81 -187.4,2658.15 -202.4,2643.15
5V_LOAD2_1 on Top Layer "NONET_L04_P-001" (solid, remove dead copper, pour order 22): -182.79,3438.07 -182.4,3437.68 -182.4,3309.07 -198.32,3293.15 -572.4,3293.15 -617.4,3338.15 -617.4,3473.15 -577.4,3513.15 -345.08,3513.15 -270,3438.07
5V_LOAD1_1 on Top Layer "NONET_L04_P-001" (solid, remove dead copper, pour order 18): -617.4,1538.15 -587.4,1568.15 -367.4,1568.15 -282.85,1483.6 -199.91,1483.6 -187.4,1471.09 -187.4,1363.15 -207.4,1343.15 -582.4,1343.15 -617.4,1378.15
NetQ4_1 on Top Layer "NONET_L04_P-001" (solid, remove dead copper, pour order 13): 1348.14,359.45 1348.14,532.07 1591.52,532.07 1607.06,516.53 1622.6,516.53 1632.6,506.53 1632.6,428.1 1617.1,412.6 1540.51,412.6 1523.19,395.27 1523.19,380.99 1501.64,359.45
ODRIVE_2 on Top Layer "NONET_L04_P-001" (solid, remove dead copper, pour order 11): 1622.6,623.15 1482.6,763.15 1392.6,763.15 1362.6,733.15 1362.6,621.05 1348.14,606.59 1348.14,532.07 1591.52,532.07 1622.6,563.15
NetJ14_1 on Top Layer "NONET_L04_P-001" (solid, remove dead copper, pour order 10): 1302.6,3.15 1348.14,48.69 1348.14,606.59 1282.86,671.87 1027.46,671.87 950.33,594.74 950.33,235.42 1182.6,3.15
NetQ3_1 on Top Layer "NONET_L04_P-001" (solid, remove dead copper, pour order 9): 445.82,346.89 448.54,349.61 448.54,503.15 714.88,503.15 713.52,501.79 713.52,377.64 709.03,373.15 622.6,373.15 586.49,337.04 445.82,337.04
NetJ11_1 on Top Layer "NONET_L04_P-001" (solid, remove dead copper, pour order 6): 62.6,595.28 62.6,263.15 322.6,3.15 462.6,3.15 512.6,53.15 512.6,270.26 445.82,337.04 445.82,596.89 389.56,653.15 120.47,653.15
NetD2_1 on Top Layer "NONET_L04_P-001" (solid, remove dead copper, pour order 2): 2282.6,753.15 2431.79,753.15 2471.79,713.15 2552.6,713.15 2564.21,724.76 2564.21,879.12 2565.65,880.56 2564.21,882 2491.73,882 2400.58,973.15 2282.6,973.15
3V3 on L3-Ground (split plane): 2257.5,2426.04 2257.5,2280.26 1585.49,1608.25 1439.71,1608.25 891.2,2156.75 867.7,2180.26 867.7,2626.04 870.47,2628.81 871.58,2630.47 871.96,2632.42 871.96,2748.88 871.58,2750.83 870.47,2752.49 792.7,2830.26 792.7,2876.04 839.71,2923.05 1760.49,2923.05
5V_1 on L3-Ground (split plane): 3277.5,3306.04 3277.5,718.02 3207.73,648.25 234.71,648.25 182.7,700.26 182.7,2043.15 182.7,2126.65 214.1,2158.05 315.49,2158.05 393.11,2080.43 392.89,2080.1 392.5,2078.15 392.5,1059.4 392.89,1057.45 393.99,1055.79 490.24,959.54 491.89,958.44 493.85,958.05 2902.6,958.05 2904.55,958.44 2906.2,959.54 2956.2,1009.54 2957.31,1011.2 2957.7,1013.15 2957.7,3300.12 3020.63,3363.05 3220.49,3363.05
GND on L3-Ground (split plane): 3648,4310.32 3655.76,4309.17 3663.38,4307.26 3670.77,4304.62 3677.87,4301.26 3684.6,4297.22 3690.91,4292.55 3696.72,4287.27 3702,4281.46 3706.67,4275.15 3710.71,4268.42 3714.06,4261.32 3716.71,4253.93 3718.62,4246.31 3719.77,4238.55 3720.12,4231.34 3720.06,4230.71 3720.06,-96.85 3720.12,-97.48 3719.77,-104.69 3718.62,-112.46 3716.71,-120.07 3714.06,-127.46 3710.71,-134.56 3706.67,-141.29 3702,-147.6 3696.72,-153.42 3690.91,-158.69 3684.6,-163.37 3677.87,-167.4 3670.77,-170.76 3663.38,-173.4 3655.76,-175.31 3648,-176.46 3640.79,-176.82 3640.16,-176.75 -687.4,-176.75 -688.03,-176.82 -695.24,-176.46 -703.01,-175.31 -710.62,-173.4 -718.01,-170.76 -725.11,-167.4 -731.85,-163.37 -738.15,-158.69 -743.97,-153.42 -749.24,-147.6 -753.92,-141.29 -757.95,-134.56 -761.31,-127.46 -763.95,-120.07 -765.86,-112.46 -767.01,-104.69 -767.37,-97.48 -767.3,-96.85 -767.3,4230.71 -767.37,4231.34 -767.01,4238.55 -765.86,4246.31 -763.95,4253.93 -761.31,4261.32 -757.95,4268.42 -753.92,4275.15 -749.24,4281.46 -743.97,4287.27 -738.15,4292.55 -731.85,4297.22 -725.11,4301.26 -718.01,4304.62 -710.62,4307.26 -703.01,4309.17 -695.24,4310.32 -688.03,4310.67 -687.4,4310.61 3640.16,4310.61 3640.79,4310.67
GND on L2-Ground (split plane): 3648,4310.32 3655.76,4309.17 3663.38,4307.26 3670.77,4304.62 3677.87,4301.26 3684.6,4297.22 3690.91,4292.55 3696.72,4287.27 3702,4281.46 3706.67,4275.15 3710.71,4268.42 3714.06,4261.32 3716.71,4253.93 3718.62,4246.31 3719.77,4238.55 3720.12,4231.34 3720.06,4230.71 3720.06,-96.85 3720.12,-97.48 3719.77,-104.69 3718.62,-112.46 3716.71,-120.07 3714.06,-127.46 3710.71,-134.56 3706.67,-141.29 3702,-147.6 3696.72,-153.42 3690.91,-158.69 3684.6,-163.37 3677.87,-167.4 3670.77,-170.76 3663.38,-173.4 3655.76,-175.31 3648,-176.46 3640.79,-176.82 3640.16,-176.75 -687.4,-176.75 -688.03,-176.82 -695.24,-176.46 -703.01,-175.31 -710.62,-173.4 -718.01,-170.76 -725.11,-167.4 -731.85,-163.37 -738.15,-158.69 -743.97,-153.42 -749.24,-147.6 -753.92,-141.29 -757.95,-134.56 -761.31,-127.46 -763.95,-120.07 -765.86,-112.46 -767.01,-104.69 -767.37,-97.48 -767.3,-96.85 -767.3,4230.71 -767.37,4231.34 -767.01,4238.55 -765.86,4246.31 -763.95,4253.93 -761.31,4261.32 -757.95,4268.42 -753.92,4275.15 -749.24,4281.46 -743.97,4287.27 -738.15,4292.55 -731.85,4297.22 -725.11,4301.26 -718.01,4304.62 -710.62,4307.26 -703.01,4309.17 -695.24,4310.32 -688.03,4310.67 -687.4,4310.61 3640.16,4310.61 3640.79,4310.67

## Keep-outs
Keep-Out Layer:
  the board outline again, w5

## Other copper
L3-Ground (plane layer: these items are gaps in the copper):
  lines w10: 177.6,698.15 232.6,643.15 3209.84,643.15 3282.6,715.9 3282.6,3308.15 3222.6,3368.15 3018.51,3368.15 2952.6,3302.23 2952.6,1013.15 2902.6,963.15 493.85,963.15 397.6,1059.4 397.6,2078.15 402.6,2083.15 397.6,2083.15 317.6,2163.15 211.99,2163.15 177.6,2128.76 177.6,2043.15 177.6,698.15 ; 787.6,2828.15 866.87,2748.88 866.87,2632.42 862.6,2628.15 862.6,2178.15 887.6,2153.15 1437.6,1603.15 1587.6,1603.15 2262.6,2278.15 2262.6,2428.15 1762.6,2928.15 1037.6,2928.15 837.6,2928.15 787.6,2878.15 787.6,2828.15

## Silkscreen, mask and mechanical layers (free items; w line width, h text height)
Top Overlay:
  drawing of 1435 lines, arcs and shapes, not listed
  text "CAN A" at 1648.76,4315.59 h100 r180
  text "CAN B" at 2315.35,4313.1 h100 r180
  text "LED" at 793.82,4310.51 h100 r180
  text "VBAT" at -305,4295 h100 r180
  text "5V 2 IN" at 220,4293.83 h100 r180
  text "17V OUT" at 3693.83,3530 h100 r90
  text "5V OUT" at -743.83,3470 h100 r270
  text "17V IN" at 3695,3005 h100 r90
  text "5V OUT" at -743.83,2812.72 h100 r270
  text "17V" at 2884,2706 h80
  text "VBAT" at 3695,2505 h100 r90
  text "5V 2" at 498,2483.93 h80
  text "5V OUT" at -743.83,2170 h100 r270
  text "5V 1" at 433,2111.93 h80
  text "VBAT BUCK" at 3693.83,1880 h100 r90
  text "LOGAN HARTFORD" at 257.77,1533.89 h100
  text "5V OUT" at -743.83,1520 h100 r270
  text "VBAT" at 1725,1424 h80
  text "PDB BASE BOARD REV 1" at 255,1409.23 h100
  text "PDB REV5" at 255,1284.23 h100
  text "JUNE, 2023" at 243.83,1172.66 h100
  text "5V 1 IN" at -743.83,795 h100 r270
  text "OD 3" at 3650.71,705 h100 r90
  text "VBAT" at -742.66,264.42 h100 r270
  text "OD 2" at 1282.16,-155.76 h100
  text "OD 1" at 420.07,-157.21 h100
  text "VBAT IN" at 2047.6,-162.75 h100
Bottom Overlay:
  drawing of 88 lines, arcs and shapes, not listed